# KiCad board BabyHuey.kicad_pcb
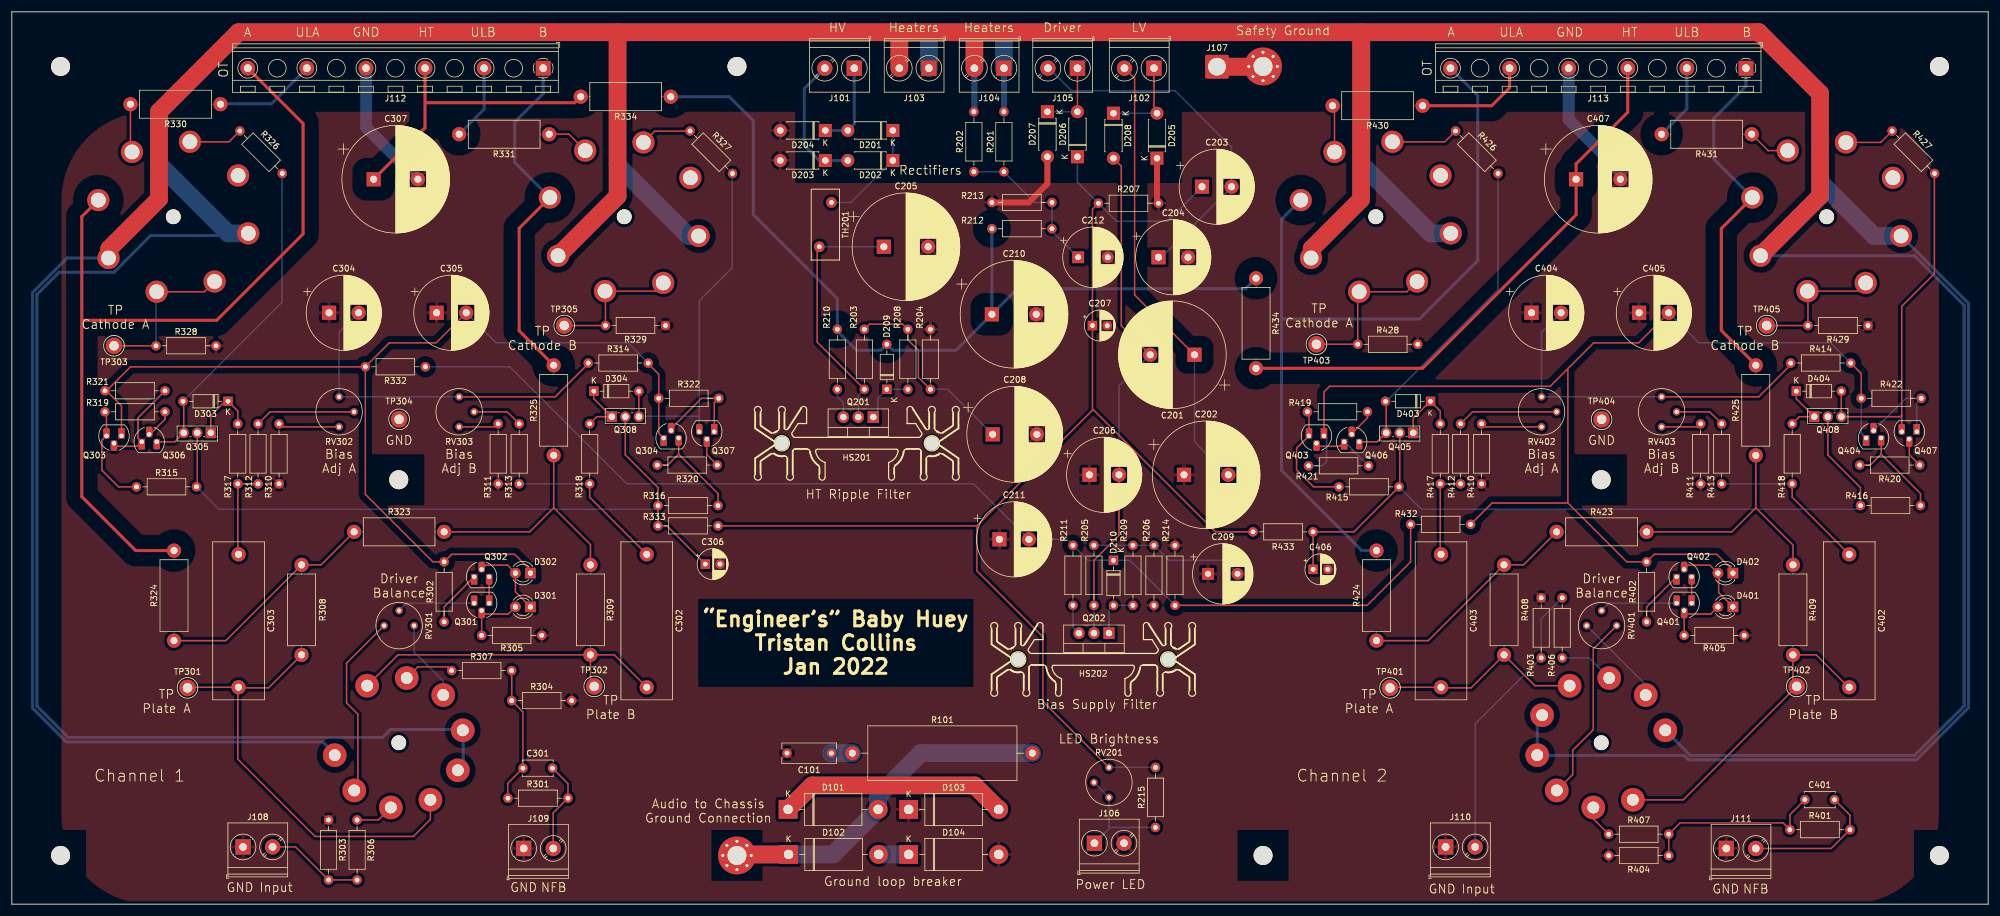
[diagram p0: board, top side]
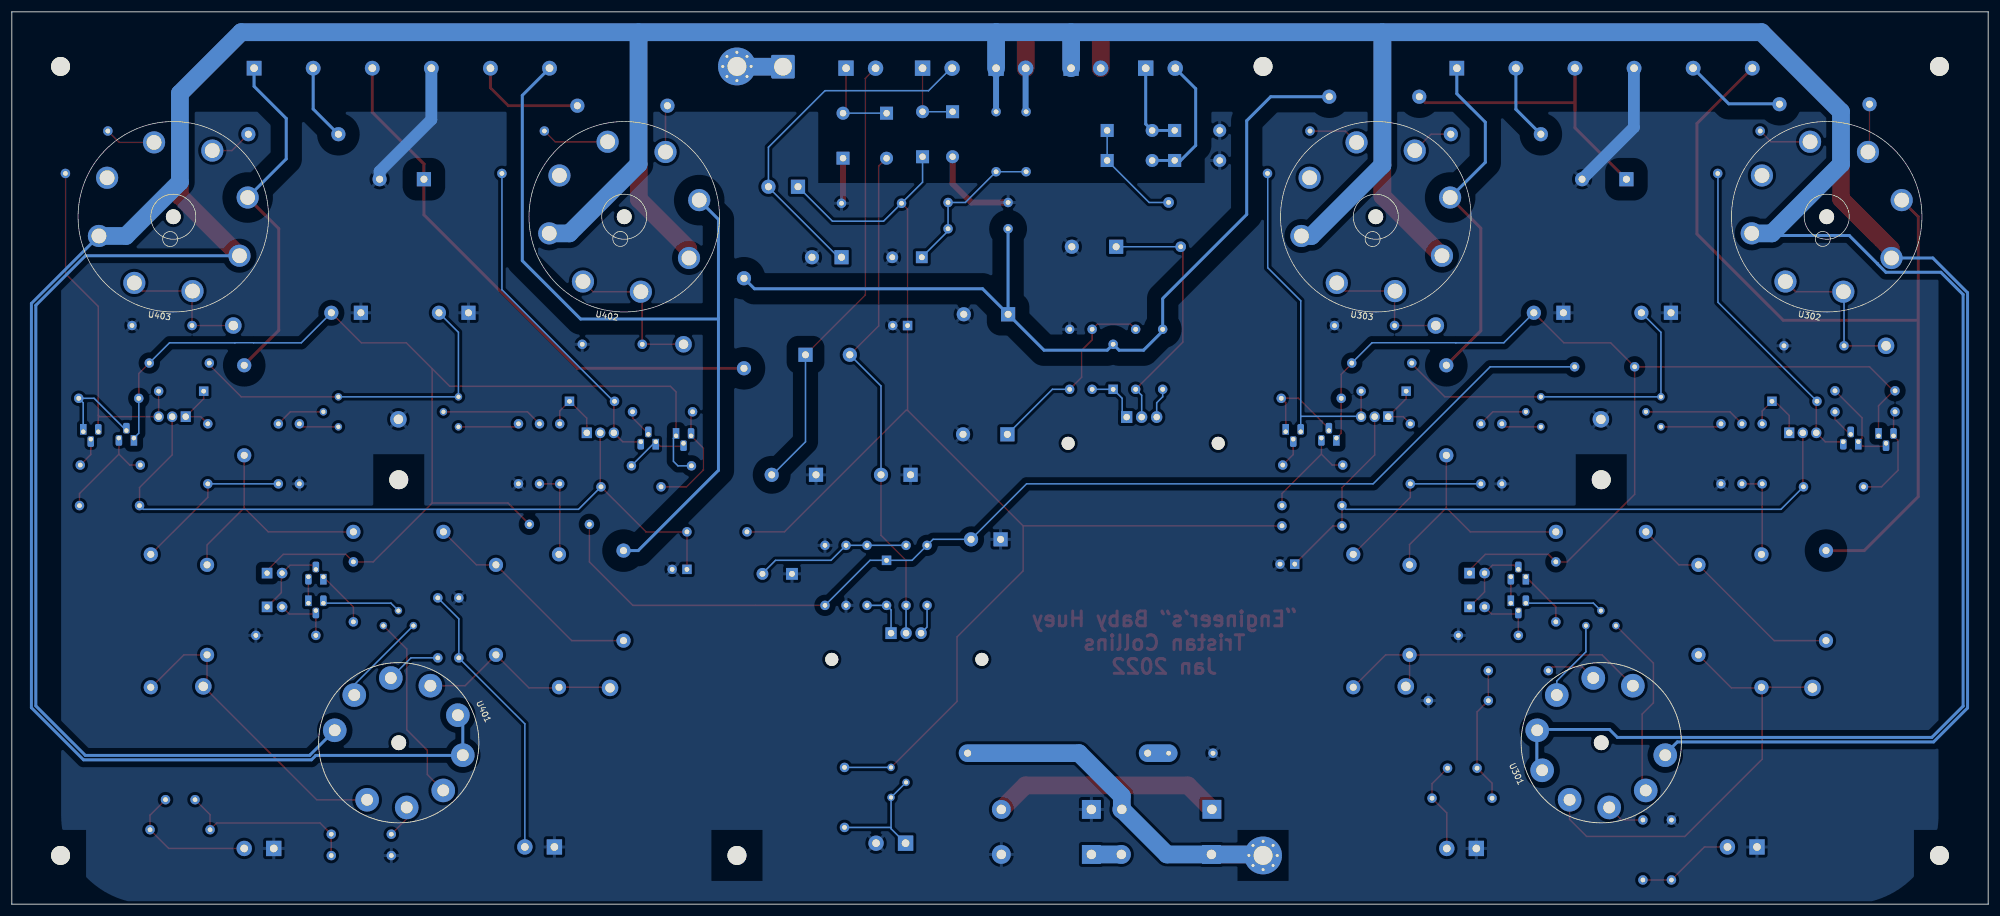
[diagram p1: board, bottom side, seen from below]

Outline 334.5 x 151.06 mm; copper layers: Top, Bottom. Coordinates in mm from the lower left corner of the outline.
Outline path: 0,151.06 0,0 334.5,0 334.5,151.06 0,151.06
Stack: Top 0.035mm / dielectric 1.51mm FR4 er 4.5 / Bottom 0.035mm

## Placement (name value [footprint] x y rotation side)
C101  100n  [C_Rect_L9.0mm_W3.2mm_P7.50mm_MKT]  138.7 25.56 180 top
C201  470u 100V  [CP_Radial_D18.0mm_P7.50mm]  200.17 93 180 top
C202  470u 100V  [CP_Radial_D18.0mm_P7.50mm]  198.39 72.68 0 top
C203  2200u 25V  [CP_Radial_D12.5mm_P5.00mm]  201.44 121.45 0 top
C204  2200u 25V  [CP_Radial_D12.5mm_P5.00mm]  194.07 109.51 0 top
C205  47u 450V  [CP_Radial_D18.0mm_P7.50mm]  147.59 111.29 0 top
C206  47u 160V  [CP_Radial_D12.5mm_P5.00mm]  182.39 72.68 0 top
C207  47u 25V  [CP_Radial_D5.0mm_P2.50mm]  182.9 97.95 0 top
C208  10u 450V  [CP_Radial_D16.0mm_P7.50mm]  166 79.54 0 top
C209  10u 160V  [CP_Radial_D10.0mm_P5.00mm]  202.46 55.92 0 top
C210  47u 450V  [CP_Radial_D18.0mm_P7.50mm]  165.88 99.86 0 top
C211  47u 160V  [CP_Radial_D12.5mm_P5.00mm]  167.15 61.76 0 top
C212  10u 200V  [CP_Radial_D10.0mm_P5.00mm]  180.48 109.51 0 top
C301  DNP  [C_Disc_D5.0mm_W2.5mm_P5.00mm]  86.5 23.02 0 top
C302  220n 630V  [C_Rect_L26.5mm_W8.5mm_P22.50mm_MKS4]  107.46 59.22 270 top
C303  220n 630V  [C_Rect_L26.5mm_W8.5mm_P22.50mm_MKS4]  38.37 59.22 270 top
C304  47u 160V  [CP_Radial_D12.5mm_P5.00mm]  53.69 100.11 0 top
C305  47u 160V  [CP_Radial_D12.5mm_P5.00mm]  71.9 100.11 0 top
C306  47u 25V  [CP_Radial_D5.0mm_P2.50mm]  117.37 57.57 0 top
C307  47u 450V  [CP_Radial_D18.0mm_P7.50mm]  61.23 122.72 0 top
C401  DNP  [C_Disc_D5.0mm_W2.5mm_P5.00mm]  303.49 17.69 0 top
C402  220n 630V  [C_Rect_L26.5mm_W8.5mm_P22.50mm_MKS4]  310.98 59.22 270 top
C403  220n 630V  [C_Rect_L26.5mm_W8.5mm_P22.50mm_MKS4]  241.89 59.22 270 top
C404  47u 160V  [CP_Radial_D12.5mm_P5.00mm]  257.21 100.11 0 top
C405  47u 160V  [CP_Radial_D12.5mm_P5.00mm]  275.42 100.11 0 top
C406  47u 25V  [CP_Radial_D5.0mm_P2.50mm]  220.24 56.68 0 top
C407  47u 450V  [CP_Radial_D18.0mm_P7.50mm]  264.75 122.72 0 top
D101  SF51-B  [D_DO-201AD_P15.24mm_Horizontal]  131.39 16.05 0 top
D102  SF51-B  [D_DO-201AD_P15.24mm_Horizontal]  131.46 8.42 0 top
D103  SF51-B  [D_DO-201AD_P15.24mm_Horizontal]  151.78 16.04 0 top
D104  SF51-B  [D_DO-201AD_P15.24mm_Horizontal]  151.78 8.42 0 top
D201  UF4007  [D_DO-41_SOD81_P7.62mm_Horizontal]  149.12 130.97 180 top
D202  UF4007  [D_DO-41_SOD81_P7.62mm_Horizontal]  149.12 125.89 180 top
D203  UF4007  [D_DO-41_SOD81_P7.62mm_Horizontal]  137.69 125.89 180 top
D204  UF4007  [D_DO-41_SOD81_P7.62mm_Horizontal]  137.69 130.97 180 top
D205  UF4007  [D_DO-41_SOD81_P7.62mm_Horizontal]  193.82 126.28 90 top
D206  UF4007  [D_DO-41_SOD81_P7.62mm_Horizontal]  180.36 126.53 90 top
D207  UF4007  [D_DO-41_SOD81_P7.62mm_Horizontal]  175.28 134.15 270 top
D208  UF4007  [D_DO-41_SOD81_P7.62mm_Horizontal]  186.45 133.9 270 top
D209  BZX79C10  [D_DO-35_SOD27_P7.62mm_Horizontal]  148.1 87.16 90 top
D210  BZX79C10  [D_DO-35_SOD27_P7.62mm_Horizontal]  186.45 58.2 270 top
D301  Red  [LED_D3.0mm]  87.78 50.33 180 top
D302  Red  [LED_D3.0mm]  87.78 56.04 180 top
D303  BZX79C10  [D_DO-35_SOD27_P7.62mm_Horizontal]  36.59 85.13 180 top
D304  BZX79C10  [D_DO-35_SOD27_P7.62mm_Horizontal]  98.51 86.84 0 top
D401  Red  [LED_D3.0mm]  291.3 50.33 180 top
D402  Red  [LED_D3.0mm]  291.3 56.04 180 top
D403  BZX79C10  [D_DO-35_SOD27_P7.62mm_Horizontal]  240.11 85.13 180 top
D404  BZX79C10  [D_DO-35_SOD27_P7.62mm_Horizontal]  302.03 86.84 0 top
HS201  -  [HSE-B20250-040H]  143.02 78.02 0 top
HS202  -  [HSE-B20250-040H]  183.03 41.44 0 top
J101  Screw_Terminal_01x02  [TerminalBlock_Phoenix_PT-1,5-2-5.0-H_1x02_P5.00mm_Horizontal]  142.59 141.52 180 top
J102  Screw_Terminal_01x02  [TerminalBlock_Phoenix_PT-1,5-2-5.0-H_1x02_P5.00mm_Horizontal]  193.31 141.52 180 top
J103  Screw_Terminal_01x02  [TerminalBlock_Phoenix_PT-1,5-2-5.0-H_1x02_P5.00mm_Horizontal]  155.21 141.52 180 top
J104  Screw_Terminal_01x02  [TerminalBlock_Phoenix_PT-1,5-2-5.0-H_1x02_P5.00mm_Horizontal]  167.91 141.52 180 top
J105  Screw_Terminal_01x02  [TerminalBlock_Phoenix_PT-1,5-2-5.0-H_1x02_P5.00mm_Horizontal]  180.36 141.52 180 top
J106  Screw_Terminal_01x02  [TerminalBlock_Phoenix_PT-1,5-2-5.0-H_1x02_P5.00mm_Horizontal]  183.23 10.32 0 top
J107  Conn_01x01_Female  [SolderWire-2.5sqmm_1x01_D2.4mm_OD3.6mm]  203.98 141.77 0 top
J108  Screw_Terminal_01x02  [TerminalBlock_Phoenix_PT-1,5-2-5.0-H_1x02_P5.00mm_Horizontal]  39.13 9.69 0 top
J109  Screw_Terminal_01x02  [TerminalBlock_Phoenix_PT-1,5-2-5.0-H_1x02_P5.00mm_Horizontal]  86.63 9.44 0 top
J110  Screw_Terminal_01x02  [TerminalBlock_Phoenix_PT-1,5-2-5.0-H_1x02_P5.00mm_Horizontal]  242.67 9.69 0 top
J111  Screw_Terminal_01x02  [TerminalBlock_Phoenix_PT-1,5-2-5.0-H_1x02_P5.00mm_Horizontal]  290.17 9.44 0 top
J112  Screw_Terminal_01x06  [TerminalBlock_RND_205-00302_1x06_P10.00mm_Horizontal]  89.93 141.52 180 top
J113  Screw_Terminal_01x06  [TerminalBlock_RND_205-00302_1x06_P10.00mm_Horizontal]  293.5 141.52 180 top
MH101  MountingHole  [MountingHole_3.2mm_M3]  326.25 8.25 0 top
MH102  MountingHole  [MountingHole_3.2mm_M3]  326.25 141.81 0 top
MH103  MountingHole  [MountingHole_3.2mm_M3]  269.01 71.85 0 top
MH104  MountingHole  [MountingHole_3.2mm_M3]  122.73 141.81 0 top
MH105  MountingHole  [MountingHole_3.2mm_M3]  211.77 8.25 0 top
MH106  MountingHole  [MountingHole_3.2mm_M3]  8.25 8.25 0 top
MH107  MountingHole  [MountingHole_3.2mm_M3]  65.49 71.85 0 top
MH108  MountingHole  [MountingHole_3.2mm_M3]  8.25 141.81 0 top
MH109  MountingHole_Pad  [MountingHole_3.2mm_M3_Pad_Via]  122.73 8.25 0 top
MH110  MountingHole_Pad  [MountingHole_3.2mm_M3_Pad_Via]  211.77 141.81 0 top
Q201  FQPF8N60C  [TO-220-3_Vertical]  145.81 82.46 180 top
Q202  FQPF7P20  [TO-220-3_Vertical]  185.69 45.88 180 top
Q301  2n5551  [TO-92_HandSolder]  80.79 50.96 180 top
Q302  2n5551  [TO-92_HandSolder]  78.25 55.41 0 top
Q303  2n5551  [TO-92_HandSolder]  18.56 79.29 180 top
Q304  2n5551  [TO-92_HandSolder]  110.32 78.9 0 top
Q305  STU9HN65M2  [TO-251-3_Vertical]  33.67 79.79 180 top
Q306  2n5551  [TO-92_HandSolder]  21.99 78.27 0 top
Q307  2n5551  [TO-92_HandSolder]  118.89 79.98 180 top
Q308  STU9HN65M2  [TO-251-3_Vertical]  101.55 82.52 0 top
Q401  2n5551  [TO-92_HandSolder]  284.31 50.96 180 top
Q402  2n5551  [TO-92_HandSolder]  281.77 55.41 0 top
Q403  2n5551  [TO-92_HandSolder]  222.08 79.29 180 top
Q404  2n5551  [TO-92_HandSolder]  313.84 78.9 0 top
Q405  STU9HN65M2  [TO-251-3_Vertical]  237.19 79.79 180 top
Q406  2n5551  [TO-92_HandSolder]  225.51 78.27 0 top
Q407  2n5551  [TO-92_HandSolder]  322.41 79.98 180 top
Q408  STU9HN65M2  [TO-251-3_Vertical]  305.07 82.52 0 top
R101  10r 5W  [R_Axial_Power_L25.0mm_W9.0mm_P30.48mm]  142.26 25.56 0 top
R201  100r  [R_Axial_DIN0207_L6.3mm_D2.5mm_P10.16mm_Horizontal]  167.91 134.15 270 top
R202  100r  [R_Axial_DIN0207_L6.3mm_D2.5mm_P10.16mm_Horizontal]  162.83 123.99 90 top
R203  22k  [R_Axial_DIN0207_L6.3mm_D2.5mm_P10.16mm_Horizontal]  144.29 87.16 90 top
R204  1Meg  [R_Axial_DIN0207_L6.3mm_D2.5mm_P10.16mm_Horizontal]  155.47 87.16 90 top
R205  22k  [R_Axial_DIN0207_L6.3mm_D2.5mm_P10.16mm_Horizontal]  183.15 50.58 90 top
R206  1Meg  [R_Axial_DIN0207_L6.3mm_D2.5mm_P10.16mm_Horizontal]  193.31 60.74 270 top
R207  330k  [R_Axial_DIN0207_L6.3mm_D2.5mm_P10.16mm_Horizontal]  183.91 118.66 0 top
R208  100r  [R_Axial_DIN0207_L6.3mm_D2.5mm_P10.16mm_Horizontal]  151.66 87.16 90 top
R209  100r  [R_Axial_DIN0207_L6.3mm_D2.5mm_P10.16mm_Horizontal]  189.76 50.58 90 top
R210  22r  [R_Axial_DIN0207_L6.3mm_D2.5mm_P10.16mm_Horizontal]  139.72 97.32 270 top
R211  10r  [R_Axial_DIN0207_L6.3mm_D2.5mm_P10.16mm_Horizontal]  179.6 60.74 270 top
R212  330k  [R_Axial_DIN0207_L6.3mm_D2.5mm_P10.16mm_Horizontal]  165.88 114.34 0 top
R213  47k  [R_Axial_DIN0207_L6.3mm_D2.5mm_P10.16mm_Horizontal]  176.04 118.78 180 top
R214  330k  [R_Axial_DIN0207_L6.3mm_D2.5mm_P10.16mm_Horizontal]  196.87 50.58 90 top
R215  TBD  [R_Axial_DIN0207_L6.3mm_D2.5mm_P10.16mm_Horizontal]  193.57 12.99 90 top
R301  DNP  [R_Axial_DIN0207_L6.3mm_D2.5mm_P10.16mm_Horizontal]  83.97 17.94 0 top
R302  680r  [R_Axial_DIN0207_L6.3mm_D2.5mm_P10.16mm_Horizontal]  73.17 47.79 90 top
R303  100k  [R_Axial_DIN0207_L6.3mm_D2.5mm_P10.16mm_Horizontal]  53.61 14.26 270 top
R304  470r  [R_Axial_DIN0207_L6.3mm_D2.5mm_P10.16mm_Horizontal]  84.6 34.45 0 top
R305  47k  [R_Axial_DIN0207_L6.3mm_D2.5mm_P10.16mm_Horizontal]  79.52 45.5 0 top
R306  1k  [R_Axial_DIN0207_L6.3mm_D2.5mm_P10.16mm_Horizontal]  58.44 14.26 270 top
R307  1k  [R_Axial_DIN0207_L6.3mm_D2.5mm_P10.16mm_Horizontal]  74.44 39.53 0 top
R308  220k 2W  [R_Axial_DIN0414_L11.9mm_D4.5mm_P15.24mm_Horizontal]  49.04 42.2 90 top
R309  220k 2W  [R_Axial_DIN0414_L11.9mm_D4.5mm_P15.24mm_Horizontal]  97.94 57.44 270 top
R310  1k  [R_Axial_DIN0207_L6.3mm_D2.5mm_P10.16mm_Horizontal]  45.23 71.16 90 top
R311  1k  [R_Axial_DIN0207_L6.3mm_D2.5mm_P10.16mm_Horizontal]  82.31 81.32 270 top
R312  1Meg  [R_Axial_DIN0207_L6.3mm_D2.5mm_P10.16mm_Horizontal]  41.67 71.16 90 top
R313  1Meg  [R_Axial_DIN0207_L6.3mm_D2.5mm_P10.16mm_Horizontal]  85.87 81.32 270 top
R314  22k  [R_Axial_DIN0207_L6.3mm_D2.5mm_P10.16mm_Horizontal]  97.55 91.6 0 top
R315  220k  [R_Axial_DIN0207_L6.3mm_D2.5mm_P10.16mm_Horizontal]  21.1 70.65 0 top
R316  220k  [R_Axial_DIN0207_L6.3mm_D2.5mm_P10.16mm_Horizontal]  109.36 67.47 0 top
R317  100r  [R_Axial_DIN0207_L6.3mm_D2.5mm_P10.16mm_Horizontal]  38.24 71.16 90 top
R318  100r  [R_Axial_DIN0207_L6.3mm_D2.5mm_P10.16mm_Horizontal]  97.81 71.16 90 top
R319  100r  [R_Axial_DIN0207_L6.3mm_D2.5mm_P10.16mm_Horizontal]  15.77 83.35 0 top
R320  100r  [R_Axial_DIN0207_L6.3mm_D2.5mm_P10.16mm_Horizontal]  119.4 74.33 180 top
R321  390r  [R_Axial_DIN0207_L6.3mm_D2.5mm_P10.16mm_Horizontal]  25.93 86.91 180 top
R322  390r  [R_Axial_DIN0207_L6.3mm_D2.5mm_P10.16mm_Horizontal]  109.49 85.64 0 top
R323  39k 2W  [R_Axial_DIN0414_L11.9mm_D4.5mm_P15.24mm_Horizontal]  57.93 63.03 0 top
R324  47k 2W  [R_Axial_DIN0414_L11.9mm_D4.5mm_P15.24mm_Horizontal]  27.45 44.61 90 top
R325  47k 2W  [R_Axial_DIN0414_L11.9mm_D4.5mm_P15.24mm_Horizontal]  91.71 75.98 90 top
R326  1k  [R_Axial_DIN0207_L6.3mm_D2.5mm_P10.16mm_Horizontal]  45.77 123.7 135 top
R327  1k  [R_Axial_DIN0207_L6.3mm_D2.5mm_P10.16mm_Horizontal]  121.97 123.7 135 top
R328  10r 1%  [R_Axial_DIN0207_L6.3mm_D2.5mm_P10.16mm_Horizontal]  24.4 94.53 0 top
R329  10r 1%  [R_Axial_DIN0207_L6.3mm_D2.5mm_P10.16mm_Horizontal]  110.63 97.95 180 top
R330  1k 2W  [R_Axial_DIN0414_L11.9mm_D4.5mm_P15.24mm_Horizontal]  35.32 135.42 180 top
R331  1k 2W  [R_Axial_DIN0414_L11.9mm_D4.5mm_P15.24mm_Horizontal]  90.95 130.34 180 top
R332  270r  [R_Axial_DIN0207_L6.3mm_D2.5mm_P10.16mm_Horizontal]  70 90.97 180 top
R333  270r  [R_Axial_DIN0207_L6.3mm_D2.5mm_P10.16mm_Horizontal]  119.53 64.05 180 top
R334  10r 2W  [R_Axial_DIN0414_L11.9mm_D4.5mm_P15.24mm_Horizontal]  111.52 136.69 180 top
R401  DNP  [R_Axial_DIN0207_L6.3mm_D2.5mm_P10.16mm_Horizontal]  300.95 12.61 0 top
R402  680r  [R_Axial_DIN0207_L6.3mm_D2.5mm_P10.16mm_Horizontal]  276.69 47.79 90 top
R403  100k  [R_Axial_DIN0207_L6.3mm_D2.5mm_P10.16mm_Horizontal]  258.84 51.85 270 top
R404  470r  [R_Axial_DIN0207_L6.3mm_D2.5mm_P10.16mm_Horizontal]  280.43 8.23 180 top
R405  47k  [R_Axial_DIN0207_L6.3mm_D2.5mm_P10.16mm_Horizontal]  283.04 45.5 0 top
R406  1k  [R_Axial_DIN0207_L6.3mm_D2.5mm_P10.16mm_Horizontal]  262.4 41.69 90 top
R407  1k  [R_Axial_DIN0207_L6.3mm_D2.5mm_P10.16mm_Horizontal]  270.27 11.85 0 top
R408  220k 2W  [R_Axial_DIN0414_L11.9mm_D4.5mm_P15.24mm_Horizontal]  252.56 42.2 90 top
R409  220k 2W  [R_Axial_DIN0414_L11.9mm_D4.5mm_P15.24mm_Horizontal]  301.46 57.44 270 top
R410  1k  [R_Axial_DIN0207_L6.3mm_D2.5mm_P10.16mm_Horizontal]  248.75 71.16 90 top
R411  1k  [R_Axial_DIN0207_L6.3mm_D2.5mm_P10.16mm_Horizontal]  285.83 81.32 270 top
R412  1Meg  [R_Axial_DIN0207_L6.3mm_D2.5mm_P10.16mm_Horizontal]  245.19 71.16 90 top
R413  1Meg  [R_Axial_DIN0207_L6.3mm_D2.5mm_P10.16mm_Horizontal]  289.39 81.32 270 top
R414  22k  [R_Axial_DIN0207_L6.3mm_D2.5mm_P10.16mm_Horizontal]  301.07 91.6 0 top
R415  220k  [R_Axial_DIN0207_L6.3mm_D2.5mm_P10.16mm_Horizontal]  224.62 70.65 0 top
R416  220k  [R_Axial_DIN0207_L6.3mm_D2.5mm_P10.16mm_Horizontal]  312.89 67.47 0 top
R417  100r  [R_Axial_DIN0207_L6.3mm_D2.5mm_P10.16mm_Horizontal]  241.77 71.16 90 top
R418  100r  [R_Axial_DIN0207_L6.3mm_D2.5mm_P10.16mm_Horizontal]  301.33 71.16 90 top
R419  100r  [R_Axial_DIN0207_L6.3mm_D2.5mm_P10.16mm_Horizontal]  219.29 83.35 0 top
R420  100r  [R_Axial_DIN0207_L6.3mm_D2.5mm_P10.16mm_Horizontal]  322.92 74.33 180 top
R421  390r  [R_Axial_DIN0207_L6.3mm_D2.5mm_P10.16mm_Horizontal]  229.63 74.21 180 top
R422  390r  [R_Axial_DIN0207_L6.3mm_D2.5mm_P10.16mm_Horizontal]  313.01 85.64 0 top
R423  39k 2W  [R_Axial_DIN0414_L11.9mm_D4.5mm_P15.24mm_Horizontal]  261.45 63.03 0 top
R424  47k 2W  [R_Axial_DIN0414_L11.9mm_D4.5mm_P15.24mm_Horizontal]  230.97 44.61 90 top
R425  47k 2W  [R_Axial_DIN0414_L11.9mm_D4.5mm_P15.24mm_Horizontal]  295.17 75.98 90 top
R426  1k  [R_Axial_DIN0207_L6.3mm_D2.5mm_P10.16mm_Horizontal]  251.55 123.7 135 top
R427  1k  [R_Axial_DIN0207_L6.3mm_D2.5mm_P10.16mm_Horizontal]  325.43 123.7 135 top
R428  10r 1%  [R_Axial_DIN0207_L6.3mm_D2.5mm_P10.16mm_Horizontal]  227.79 94.78 0 top
R429  10r 1%  [R_Axial_DIN0207_L6.3mm_D2.5mm_P10.16mm_Horizontal]  314.16 97.95 180 top
R430  1k 2W  [R_Axial_DIN0414_L11.9mm_D4.5mm_P15.24mm_Horizontal]  238.78 135.17 180 top
R431  1k 2W  [R_Axial_DIN0414_L11.9mm_D4.5mm_P15.24mm_Horizontal]  294.47 130.34 180 top
R432  270r  [R_Axial_DIN0207_L6.3mm_D2.5mm_P10.16mm_Horizontal]  236.75 64.3 0 top
R433  270r  [R_Axial_DIN0207_L6.3mm_D2.5mm_P10.16mm_Horizontal]  210.08 63.03 0 top
R434  10r 2W  [R_Axial_DIN0414_L11.9mm_D4.5mm_P15.24mm_Horizontal]  210.58 105.96 270 top
RV201  50k  [Potentiometer_Bourns_3339P_Vertical]  185.69 18.07 0 top
RV301  470r  [Potentiometer_Bourns_3339P_Vertical]  63.01 47.16 270 top
RV302  50k  [Potentiometer_Bourns_3339P_Vertical]  55.39 85.89 180 top
RV303  50k  [Potentiometer_Bourns_3339P_Vertical]  75.71 85.89 180 top
RV401  470r  [Potentiometer_Bourns_3339P_Vertical]  266.53 47.16 270 top
RV402  50k  [Potentiometer_Bourns_3339P_Vertical]  258.91 85.89 180 top
RV403  50k  [Potentiometer_Bourns_3339P_Vertical]  279.23 85.89 180 top
TH201  CL140  [RV_Disc_D12mm_W4.8mm_P7.5mm]  136.67 111.29 90 top
TP301  TestPoint  [TestPoint_Keystone_5005-5009_Compact]  29.74 36.61 0 top
TP302  TestPoint  [TestPoint_Keystone_5005-5009_Compact]  98.57 36.87 0 top
TP303  TestPoint  [TestPoint_Keystone_5005-5009_Compact]  17.29 94.53 180 top
TP304  TestPoint  [TestPoint_Keystone_5005-5009_Compact]  65.55 82.08 0 top
TP305  TestPoint  [TestPoint_Keystone_5005-5009_Compact]  93.49 97.95 0 top
TP401  TestPoint  [TestPoint_Keystone_5005-5009_Compact]  233.26 36.61 0 top
TP402  TestPoint  [TestPoint_Keystone_5005-5009_Compact]  302.09 36.87 0 top
TP403  TestPoint  [TestPoint_Keystone_5005-5009_Compact]  220.81 94.78 180 top
TP404  TestPoint  [TestPoint_Keystone_5005-5009_Compact]  269.07 82.08 0 top
TP405  TestPoint  [TestPoint_Keystone_5005-5009_Compact]  297.01 97.95 0 top
U301  ECC83  [VALVE-ECC-83-1-TC]  65.49 27.33 65 bottom
U302  EL34  [Octal]  27.33 116.37 10 bottom
U303  EL34  [Octal]  103.65 116.37 8 bottom
U401  ECC83  [VALVE-ECC-83-1-TC]  269.01 27.33 245 bottom
U402  EL34  [Octal]  230.85 116.37 10 bottom
U403  EL34  [Octal]  307.17 116.37 8 bottom

## Footprints (pads in the part's own frame, mm; a bottom-side part is the same pattern mirrored in y, then rotated)
C_Disc_D5.0mm_W2.5mm_P5.00mm
  round 1.6 hole 0.8: 1(0,0) 2(5,0)
C_Rect_L9.0mm_W3.2mm_P7.50mm_MKT
  round 1.6 hole 0.8: 1(0,0) 2(7.5,0)
C_Rect_L26.5mm_W8.5mm_P22.50mm_MKS4
  round 2.4 hole 1.2: 1(0,0) 2(22.5,0)
CP_Radial_D5.0mm_P2.50mm
  rect 1.6x1.6 hole 0.8: 1(0,0)
  round 1.6 hole 0.8: 2(2.5,0)
CP_Radial_D10.0mm_P5.00mm
  rect 2x2 hole 1: 1(0,0)
  round 2 hole 1: 2(5,0)
CP_Radial_D12.5mm_P5.00mm
  rect 2.4x2.4 hole 1.2: 1(0,0)
  round 2.4 hole 1.2: 2(5,0)
CP_Radial_D16.0mm_P7.50mm
  rect 2.4x2.4 hole 1.2: 1(0,0)
  round 2.4 hole 1.2: 2(7.5,0)
CP_Radial_D18.0mm_P7.50mm
  rect 2.4x2.4 hole 1.2: 1(0,0)
  round 2.4 hole 1.2: 2(7.5,0)
D_DO-35_SOD27_P7.62mm_Horizontal
  rect 1.6x1.6 hole 0.8: 1(0,0)
  oval 1.6x1.6 hole 0.8: 2(7.62,0)
D_DO-41_SOD81_P7.62mm_Horizontal
  rect 2.2x2.2 hole 1.1: 1(0,0)
  oval 2.2x2.2 hole 1.1: 2(7.62,0)
D_DO-201AD_P15.24mm_Horizontal
  rect 3.2x3.2 hole 1.6: 1(0,0)
  oval 3.2x3.2 hole 1.6: 2(15.24,0)
HSE-B20250-040H
  round 2.2 hole 2.2 unplated: (-12.7,0) (12.7,0)
LED_D3.0mm
  rect 1.8x1.8 hole 0.9: 1(0,0)
  round 1.8 hole 0.9: 2(2.54,0)
MountingHole_3.2mm_M3
  round 3.2 hole 3.2 unplated: (0,0)
MountingHole_3.2mm_M3_Pad_Via
  round 0.8 hole 0.5: 1(-2.4,0) 1(-1.697,1.697) 1(-1.697,-1.697) 1(0,2.4) 1(0,-2.4) 1(1.697,1.697) 1(1.697,-1.697) 1(2.4,0)
  round 6.4 hole 3.2: 1(0,0)
Octal
  round 2.5 hole 2.5 unplated: (0,0)
  oval 3.75x3.75 hole 2.5: 1(-4.975,12.01) 2(-12.01,4.975) 3(-12.01,-4.975) 4(-4.975,-12.01) 5(4.975,-12.01) 6(12.01,-4.975) 7(12.01,4.975) 8(4.975,12.01)
Potentiometer_Bourns_3339P_Vertical
  round 1.26 hole 0.7: 1(0,0) 2(-2.54,2.54) 3(0,5.08)
R_Axial_DIN0207_L6.3mm_D2.5mm_P10.16mm_Horizontal
  round 1.6 hole 0.8: 1(0,0)
  oval 1.6x1.6 hole 0.8: 2(10.16,0)
R_Axial_DIN0414_L11.9mm_D4.5mm_P15.24mm_Horizontal
  round 2.4 hole 1.2: 1(0,0)
  oval 2.4x2.4 hole 1.2: 2(15.24,0)
R_Axial_Power_L25.0mm_W9.0mm_P30.48mm
  round 2.4 hole 1.2: 1(0,0)
  oval 2.4x2.4 hole 1.2: 2(30.48,0)
RV_Disc_D12mm_W4.8mm_P7.5mm
  round 1.8 hole 0.8: 1(0,0) 2(7.5,-2.05)
SolderWire-2.5sqmm_1x01_D2.4mm_OD3.6mm
  rrect 4x4 hole 3: 1(0,0)
TerminalBlock_Phoenix_PT-1,5-2-5.0-H_1x02_P5.00mm_Horizontal
  rect 2.6x2.6 hole 1.3: 1(0,0)
  round 2.6 hole 1.3: 2(5,0)
TerminalBlock_RND_205-00302_1x06_P10.00mm_Horizontal
  rect 2.5x2.5 hole 1.3: 1(0,0)
  round 2.5 hole 1.3: 2(10,0) 3(20,0) 4(30,0) 5(40,0) 6(50,0)
TestPoint_Keystone_5005-5009_Compact
  round 2.8 hole 1.6: 1(0,0)
TO-92_HandSolder
  rect 1.1x1.8 hole 0.75: 1(0,0)
  rrect 1.1x1.8 hole 0.75: 2(1.27,1.27) 3(2.54,0)
TO-220-3_Vertical
  rect 1.905x2 hole 1.1: 1(0,0)
  oval 1.905x2 hole 1.1: 2(2.54,0) 3(5.08,0)
TO-251-3_Vertical
  rect 1.718x1.8 hole 1.1: 1(0,0)
  oval 1.718x1.8 hole 1.1: 2(2.29,0) 3(4.58,0)
VALVE-ECC-83-1-TC
  round 2.5 hole 2.5 unplated: (0,0)
  round 4 hole 2: 1(6.489,-8.932) 2(10.5,-3.412) 3(10.5,3.412) 4(6.489,8.932) 5(0,11.04) 6(-6.489,8.932) 7(-10.5,3.412) 8(-10.5,-3.412) 9(-6.489,-8.932)

## Nets
GNDA: C101.2 C202.1 C204.2 C205.2 C206.1 C207.2 C208.2 C209.1 C210.2 C211.1 C212.2 C304.1 C305.1 C306.2 C307.2 C404.1 C405.1 C406.2 C407.2 D103.1 D104.2 D203.2 D204.2 D205.1 D207.2 J106.2 J108.1 J109.1 J110.1 J111.1 J112.4 J113.4 R204.2 R206.2 R207.2 R213.2 R214.2 R303.1 R304.2 R305.2 R310.1 R311.2 R328.2 R329.1 R403.1 R404.2 R405.2 R410.1 R411.2 R428.2 R429.1 TP304.1 TP404.1
/B+: C210.1 D209.2 R210.1 R212.1 R334.1 R434.1
/Left/B+A: J112.6 R324.2 U302.3
/Left/B+B: J112.1 R325.2 U303.3
/Left/B+DriverA: R308.2 R323.1 R324.1
/Left/B+DriverB: R309.1 R323.2 R325.1
/Left/B+out: C307.1 J112.3 R334.2
/Left/CathodeA: R328.1 TP303.1 U302.1 U302.8
/Left/CathodeB: R329.2 TP305.1 U303.1 U303.8
/Left/DriverCathodeA: RV301.1 U301.8
/Left/DriverCathodeB: RV301.3 U301.3
/Left/GNFB: C301.2 J109.2 R301.2
/Left/GNFBin: C301.1 R301.1 R304.1 R307.2
/Left/GridA: D303.2 Q305.3 Q306.3 R326.1
/Left/GridB: D304.2 Q307.3 Q308.3 R327.1
/Left/Input: J108.2 R303.2 R306.2
/Left/LTPI: Q301.3 RV301.2
/Left/PlateA: C303.2 R308.1 TP301.1 U301.6
/Left/PlateB: C302.2 R309.2 TP302.1 U301.1
/Left/ScreenA: R330.2 U302.4
/Left/ScreenB: R331.1 U303.4
/Left/ULA: J112.5 R330.1
/Left/ULB: J112.2 R331.2
/Left/V_neg: C305.2 D302.1 Q303.1 Q304.1 R302.2 R314.2 R321.2 R322.1 R332.2
/Left/V_pos: C306.1 Q305.2 Q308.2 R315.2 R316.1 R333.2
/PowerSupply/Driver+: D206.2 D207.1 J105.1
/PowerSupply/Driver-: C203.2 C204.1 J105.2
/PowerSupply/HV+: D201.2 D204.1 J101.1
/PowerSupply/HV-: D202.2 D203.1 J101.2
/PowerSupply/LV+: D205.2 D208.1 J102.1
/PowerSupply/LV-: C201.1 C202.2 J102.2
/PowerSupply/LVin: C201.2 C206.2 D208.2 Q202.2 R205.1
/PowerSupply/PowerLED: J106.1 R215.1 RV201.1 RV201.2
/PowerSupply/V_elevation: C212.1 R201.2 R202.1 R212.2 R213.1
/Right/B+A: J113.6 R424.2 U402.3
/Right/B+B: J113.1 R425.2 U403.3
/Right/B+DriverA: R408.2 R423.1 R424.1
/Right/B+DriverB: R409.1 R423.2 R425.1
/Right/B+out: C407.1 J113.3 R434.2
/Right/CathodeA: R428.1 TP403.1 U402.1 U402.8
/Right/CathodeB: R429.2 TP405.1 U403.1 U403.8
/Right/DriverCathodeA: RV401.1 U401.8
/Right/DriverCathodeB: RV401.3 U401.3
/Right/GNFB: C401.2 J111.2 R401.2
/Right/GNFBin: C401.1 R401.1 R404.1 R407.2
/Right/GridA: D403.2 Q405.3 Q406.3 R426.1
/Right/GridB: D404.2 Q407.3 Q408.3 R427.1
/Right/Input: J110.2 R403.2 R406.2
/Right/LTPI: Q401.3 RV401.2
/Right/PlateA: C403.2 R408.1 TP401.1 U401.6
/Right/PlateB: C402.2 R409.2 TP402.1 U401.1
/Right/ScreenA: R430.2 U402.4
/Right/ScreenB: R431.1 U403.4
/Right/ULA: J113.5 R430.1
/Right/ULB: J113.2 R431.2
/Right/V_neg: C405.2 D402.1 Q403.1 Q404.1 R402.2 R414.2 R421.2 R422.1 R432.2
/Right/V_pos: C406.1 Q405.2 Q408.2 R415.2 R416.1 R433.2
/V_Bias: C211.2 D210.1 R211.1 R214.1 R332.1 R432.1
/V_Driver: C203.1 C207.1 D206.1 R207.1 R215.2 R333.1 R433.1 RV201.3
Heater+: J103.1 J104.1 R201.1 U301.4 U301.5 U302.7 U303.7 U401.4 U401.5 U402.7 U403.7
Heater-: J103.2 J104.2 R202.2 U301.9 U302.2 U303.2 U401.9 U402.2 U403.2
Net-(C101-Pad1): C101.1 R101.1
Net-(C205-Pad1): C205.1 Q201.2 R203.1 TH201.1
Net-(C208-Pad1): C208.1 R203.2 R204.1 R208.2
Net-(C209-Pad2): C209.2 R205.2 R206.1 R209.2
Net-(C302-Pad1): C302.1 R313.2 R318.1
Net-(C303-Pad1): C303.1 R312.1 R317.1
Net-(C304-Pad2): C304.2 R314.1 RV302.1 RV303.1
Net-(C402-Pad1): C402.1 R413.2 R418.1
Net-(C403-Pad1): C403.1 R412.1 R417.1
Net-(C404-Pad2): C404.2 R414.1 RV402.1 RV403.1
Net-(D101-Pad1): D101.1 D103.2
Net-(D101-Pad2): D101.2 D102.1 MH109.1 R101.2
Net-(D102-Pad2): D102.2 D104.1
Net-(D201-Pad1): D201.1 D202.1 TH201.2
Net-(D209-Pad1): D209.1 Q201.1 R208.1
Net-(D210-Pad2): D210.2 Q202.1 R209.1
Net-(D301-Pad1): D301.1 D302.2 Q302.2
Net-(D301-Pad2): D301.2 Q301.2 R305.1
Net-(D303-Pad1): D303.1 Q305.1 R317.2
Net-(D304-Pad1): D304.1 Q308.1 R318.2
Net-(D401-Pad1): D401.1 D402.2 Q402.2
Net-(D401-Pad2): D401.2 Q401.2 R405.1
Net-(D403-Pad1): D403.1 Q405.1 R417.2
Net-(D404-Pad1): D404.1 Q408.1 R418.2
Net-(J107-Pad1): J107.1 MH110.1
Net-(Q201-Pad3): Q201.3 R210.2
Net-(Q202-Pad3): Q202.3 R211.2
Net-(Q301-Pad1): Q301.1 Q302.3
Net-(Q302-Pad1): Q302.1 R302.1
Net-(Q303-Pad2): Q303.2 Q306.1 R321.1
Net-(Q303-Pad3): Q303.3 R315.1 R319.1
Net-(Q304-Pad2): Q304.2 Q307.1 R322.2
Net-(Q304-Pad3): Q304.3 R316.2 R320.2
Net-(Q306-Pad2): Q306.2 R319.2
Net-(Q307-Pad2): Q307.2 R320.1
Net-(Q401-Pad1): Q401.1 Q402.3
Net-(Q402-Pad1): Q402.1 R402.1
Net-(Q403-Pad2): Q403.2 Q406.1 R421.1
Net-(Q403-Pad3): Q403.3 R415.1 R419.1
Net-(Q404-Pad2): Q404.2 Q407.1 R422.2
Net-(Q404-Pad3): Q404.3 R416.2 R420.2
Net-(Q406-Pad2): Q406.2 R419.2
Net-(Q407-Pad2): Q407.2 R420.1
Net-(R306-Pad1): R306.1 U301.7
Net-(R307-Pad1): R307.1 U301.2
Net-(R310-Pad2): R310.2 RV302.3
Net-(R311-Pad1): R311.1 RV303.3
Net-(R312-Pad2): R312.2 RV302.2
Net-(R313-Pad1): R313.1 RV303.2
Net-(R326-Pad2): R326.2 U302.5
Net-(R327-Pad2): R327.2 U303.5
Net-(R406-Pad1): R406.1 U401.7
Net-(R407-Pad1): R407.1 U401.2
Net-(R410-Pad2): R410.2 RV402.3
Net-(R411-Pad1): R411.1 RV403.3
Net-(R412-Pad2): R412.2 RV402.2
Net-(R413-Pad1): R413.1 RV403.2
Net-(R426-Pad2): R426.2 U402.5
Net-(R427-Pad2): R427.2 U403.5

Pads without a net: U302 6; U303 6; U402 6; U403 6

## Routing (per net, layer and track width the routed paths; a pad name or vN(x,y) marks a point on that pad's centre or on a via; arc(x,y) is an arc through that point)
GNDA: length 67.9
  Top w0.25: 193.82,118.91 R207.2
  Top w1: D207.2 175.28,121.96 172.1,118.78 R213.2 ; D205.1 193.82,118.91
  Bottom w2: J113.4 263.5,132.8 272.25,124.04 C407.2 ; C307.2 59.96,131.49 59.96,141.49 J112.4
/B+: length 149.6
  Bottom w0.5: R434.1 208.81,104.18 170.2,104.18 C210.1 ; C210.1 R212.1 ; C210.1 159.8,93.78 149.1,93.78 D209.2 147.1,93.78 142.95,93.78 139.72,97.01 R210.1 139.72,102.4 ; 139.72,102.53 125.49,116.75 125.49,132.63 121.43,136.69 R334.1
/Left/B+A: length 146.1
  Top w0.5: U302.3 11.84,116.39 11.84,68.99 20.97,59.85 R324.2 ; J112.6 49.29,132.16 49.29,113.45 34.69,98.84 11.96,98.84
/Left/B+B: length 59.3
  Top w0.5: U303.3 85.87,114.43 85.87,97.07 R325.2
  Bottom w0.5: U303.3 85.11,125.58 85.11,132.37 89.93,137.2 J112.1
/Left/B+DriverA: length 38.1
  Top w0.25: R324.1 36.21,44.61 R308.2 52.34,57.44 R323.1
/Left/B+DriverB: length 41.3
  Top w0.25: R323.2 87.65,63.03 91.71,67.09 ; 91.71,67.09 R325.1 ; 91.71,67.09 97.94,60.87 R309.1
/Left/B+out: length 49
  Top w0.5: J112.3 69.93,131.42 C307.1 ; 70.12,135.67 95.27,135.67 R334.2
/Left/CathodeA: length 26.8
  Top w0.25: TP303.1 R328.1 ; U302.8 32.59,103.68 U302.1
  Bottom w0.25: U302.1 24.4,103.56 R328.1
/Left/CathodeB: length 23.3
  Top w0.25: TP305.1 R329.2 100.47,103.7 U303.1 108.86,103.78 U303.8
/Left/DriverCathodeA: length 31.6
  Top w0.25: RV301.1 56.66,40.8 56.66,34.07 58.57,32.17 58.57,19.86 U301.8
/Left/DriverCathodeB: length 13.8
  Bottom w0.25: RV301.3 68.09,42.71 73.02,37.78 U301.3
/Left/GNFB: length 15.7
  Top w0.25: J109.2 91.63,15.45 R301.2 94.12,20.41 C301.2
/Left/GNFBin: length 23.4
  Top w0.25: R301.1 83.97,20.48 C301.1 86.5,32.55 R304.1 R307.2
/Left/GridA: length 56.1
  Top w0.25: D303.2 29.09,85.01 Q305.3 27.57,78.27 Q306.3
  Bottom w0.25: D303.2 45.74,101.89 45.74,123.66 R326.1
/Left/GridB: length 60.6
  Top w0.25: Q308.3 D304.2
  Bottom w0.25: 116.35,82.59 106.19,82.59 Q308.3 ; Q307.3 116.35,102.15 121.94,107.73 121.94,123.66 R327.1
/Left/Input: length 16.6
  Top w0.25: J108.2 48.02,9.69 R303.2 R306.2
/Left/LTPI: length 13.2
  Bottom w0.25: Q301.3 66.82,50.96 RV301.2
/Left/PlateA: length 76.4
  Top w0.25: U301.6 70.84,14.35 67.96,11.47 51.33,11.47 38.24,24.55 38.24,36.59 38.27,36.61 43.45,36.61 R308.1 ; C303.2 29.84,36.72 TP301.1
/Left/PlateB: length 57.4
  Top w0.25: C302.2 101.98,42.2 R309.2 ; TP302.1 97.94,37.5 R309.2 ; R309.2 65.35,42.2 U301.1
/Left/ScreenA: length 8.2
  Top w0.25: U302.4 20.08,127.6 R330.2
/Left/ScreenB: length 7.2
  Top w0.25: U303.4 94.28,130.34 R331.1
/Left/ULA: length 17.1
  Bottom w0.5: J112.5 43.91,135.49 35.39,135.49 R330.1
/Left/ULB: length 12.9
  Bottom w0.5: J112.2 79.93,134.56 R331.2
/Left/V_neg: length 179.8
  Top w0.25: 16.02,86.91 R321.2 ; 16.02,86.91 20.08,90.97 R332.2 ; 16.02,86.91 18.56,84.37 Q303.1 ; R332.2 59.84,69.38 71.27,57.95 R302.2 74.44,59.22 85.11,59.22 87.78,56.55 D302.1 ; R332.2 63.9,95.03 71.82,95.03 C305.2 ; Q304.1 109.49,79.73 R322.1 109.49,89.7 107.71,91.48 R314.2
  Bottom w0.25: R314.2 104.28,95.04 90.13,95.04 90.13,95.03 81.98,95.03 C305.2
/Left/V_pos: length 120.4
  Top w0.25: C306.1 110.89,64.05 109.36,64.05 R316.1 109.36,70.52 103.84,76.05 Q308.2 ; 31.38,70.78 31.38,79.79
  Bottom w0.25: R316.1 108.73,66.84 35.07,66.84 R315.2
/PowerSupply/Driver+: length 12.4
  Top w0.25: J105.1 D206.2
  Bottom w0.25: D207.1 D206.2
/PowerSupply/Driver-: length 60.5
  Bottom w0.25: C204.1 194.58,109.51 206.44,121.37 C203.2 206.44,128.13 196.87,137.71 179.34,137.71 175.53,141.52
/PowerSupply/HV+: length 14.8
  Bottom w0.5: J101.1 142.59,132.07 D201.2 D204.1
/PowerSupply/HV-: length 22.9
  Bottom w0.5: D202.2 136.67,125.89 134.13,128.44 134.13,138.05 J101.2
/PowerSupply/LV+: length 15.2
  Top w0.25: J102.1 193.31,134.4 D205.2
  Bottom w0.25: D208.1 D205.2
/PowerSupply/LV-: length 76.2
  Top w0.25: J102.2 190.03,139.8 190.03,103.14 C201.1
  Bottom w0.25: C202.2 205.76,72.68 200.17,78.27 C201.1
/PowerSupply/LVin: length 86.9
  Top w0.25: C201.2 187.78,97.89 187.78,124.95 D208.2 ; R205.1 183.15,58.2 187.39,62.44 C206.2
  Bottom w0.25: R205.1 Q202.2 ; C206.2 187.39,87.72 C201.2
/PowerSupply/PowerLED: length 20.2
  Bottom w0.25: RV201.2 RV201.1 185.69,12.99 ; R215.1 185.69,12.99 ; 185.69,12.99 185.69,12.78 J106.1
/PowerSupply/V_elevation: length 26.5
  Bottom w0.25: R202.1 R201.2 173.12,118.78 R213.1 176.04,113.96 C212.1
/Right/B+A: length 140.6
  Bottom w0.5: R424.2 228.49,59.85 214.9,73.44 214.9,115.93 U402.3 ; J113.6 248.1,136.91 248.1,108.93 238.24,99.06 214.94,99.06 214.9,99.1
/Right/B+B: length 59.9
  Top w0.5: U403.3 289.32,114.36 289.32,97.13 295.23,91.22
  Bottom w0.5: J113.1 293.5,138.45 288.05,133.01 288.05,126.16 U403.3
/Right/B+DriverA: length 38.1
  Top w0.25: R423.1 255.86,57.44 R408.2 239.73,44.61 R424.1
/Right/B+DriverB: length 41.3
  Top w0.25: 295.17,67.09 291.1,63.03 R423.2 ; 295.17,67.09 R425.1 ; 295.17,67.09 301.46,60.8 R409.1
/Right/B+out: length 93.4
  Top w0.5: J113.3 273.5,134.07 264.75,125.33 C407.1 264.75,116.7 238.77,90.72 R434.2
/Right/CathodeA: length 26.5
  Top w0.25: 220.81,94.78 227.79,94.78 ; U402.8 236.11,103.68 U402.1 227.79,103.44 R428.1
/Right/CathodeB: length 23.3
  Top w0.25: TP405.1 R429.2 304,103.7 U403.1 312.38,103.78 U403.8
/Right/DriverCathodeA: length 15.9
  Bottom w0.25: U401.8 276.54,37.15 RV401.1
/Right/DriverCathodeB: length 32.1
  Top w0.25: U401.3 264.18,21.95 264.18,26.05 267.66,29.53 267.66,43.2 RV401.3
/Right/GNFB: length 23.4
  Top w0.25: C401.2 311.11,15.07 R401.2 307.93,9.44 J111.2
/Right/GNFBin: length 31.5
  Top w0.25: C401.1 300.95,15.15 R401.1 299.8,13.75 282.34,13.75 R407.2 R404.1
/Right/GridA: length 56.8
  Top w0.25: D403.2 232.61,85.01 232.61,79.79 231.09,78.27 Q406.3
  Bottom w0.25: D403.2 232.65,85.13 251.55,104.03 251.55,123.41
/Right/GridB: length 60.7
  Top w0.25: D404.2 Q408.3 319.62,82.52 319.87,82.78 ; R427.1 325.39,123.66 325.39,106.72 319.87,101.2 319.87,82.78 ; Q407.3 319.87,82.78
/Right/Input: length 48.3
  Bottom w0.25: R406.2 258.84,48.3 R403.2 247.67,30.52 J110.2
/Right/LTPI: length 13.2
  Bottom w0.25: RV401.2 270.34,50.96 Q401.3
/Right/PlateA: length 35
  Top w0.25: 241.79,36.61 246.97,36.61 R408.1 257.78,36.99 U401.6 ; TP401.1 233.36,36.72 C403.2
/Right/PlateB: length 53.1
  Top w0.25: C402.2 310.87,36.72 305.39,42.2 R409.2 301.46,37.5 TP402.1 282.9,17.67 U401.1
/Right/ScreenA: length 8
  Top w0.25: U402.4 223.87,134.84 R430.2
/Right/ScreenB: length 7.2
  Top w0.25: U403.4 297.24,127.57 R431.1
/Right/ULA: length 19.3
  Top w0.5: R430.1 250.46,135.17 253.5,138.2 J113.5
/Right/ULB: length 12.9
  Bottom w0.5: J113.2 283.5,134.61 R431.2
/Right/V_neg: length 202.2
  Top w0.25: D402.1 291.3,56.49 288.56,59.22 277.96,59.22 R402.2 273.32,57.95 263.36,67.92 ; 263.36,90.65 267.73,95.03 275.34,95.03 C405.2 ; 263.36,90.65 260.37,87.67 223.03,87.67 222.08,86.72 Q403.1 ; 263.36,90.65 263.36,67.92 ; R422.1 313.01,89.83 R414.2 ; 263.36,67.92 250.52,67.92 R432.2
  Bottom w0.25: Q403.1 222.52,78.84 222.52,74.97 221.76,74.21 R421.2 ; Q404.1 313.84,78.9 313.01,79.73 R422.1 ; R414.2 307.81,95.03 296.75,95.03 296.75,95.04 293.59,95.04 293.58,95.03 285.5,95.03 C405.2
/Right/V_pos: length 130.3
  Top w0.25: Q408.2 307.36,76.05 312.89,70.52 R416.1 ; 234.9,70.78 Q405.2 ; C406.1 R433.2 227.16,63.03 R415.2
  Bottom w0.25: R415.2 238.59,66.84 312.25,66.84 R416.1
/V_Bias: length 192.9
  Top w0.25: R214.1 229.38,50.58 236.75,57.95 R432.1
  Bottom w0.25: R214.1 189.25,58.2 D210.1 182.14,58.2 R211.1 178.58,61.76 C211.2 162.75,71.16 104.1,71.16 84.28,90.97 R332.1
/V_Driver: length 231.2
  Top w0.25: 182.9,83.6 183.15,83.6 203.73,63.03 R433.1 ; 182.9,83.6 163.34,64.05 ; 182.9,83.6 C207.1 182.9,117.64 R207.1 ; 163.34,64.05 163.34,56.43 174.52,45.25 174.52,34.33 RV201.3 ; 163.34,64.05 R333.1
  Bottom w0.25: RV201.3 R215.2 ; C203.1 195.6,115.61 186.96,115.61 R207.1 180.36,122.21 D206.1
Heater+: length 816.2
  Bottom w0.5: U403.7 331.19,101.68 331.19,33.26 322.36,24.43 283.79,24.43 283.04,25.18 258.21,25.18 U401.4 258.17,31.16 U401.5 ; 39.78,113.19 23.51,113.19 18.74,108.42 18.74,108.4 17.31,106.97 8.01,106.97 4.24,103.2 4.24,33.53 9.54,28.23 62.76,28.23 64.1,29.58 76.39,29.58 76.39,23.64 75.56,22.8
  Bottom w1: J104.1 R201.1
  Bottom w2: 40.14,113.56 39.78,113.19
  Bottom w3: J103.1 155.21,147.61 ; U303.7 114.52,113.12 102.53,125.11 102.53,147.61 ; 40.14,113.56 36.61,113.56 24.91,125.26 24.91,134.15 38.37,147.61 167.91,147.61 ; 228.43,147.61 228.43,125.26 240.13,113.56 243.66,113.56 ; 167.91,147.61 J104.1 ; 167.91,147.61 295.67,147.61 306.05,137.24 306.05,122.25 315.18,113.12 U403.7
Heater-: length 756
  Top w3: 150.21,147.61 162.91,147.61 ; 150.21,147.61 J103.2 ; 150.21,147.61 38.37,147.61 24.91,134.15 24.91,119.38 16.49,110.96 16.49,109.39 ; 162.91,147.61 295.67,147.61 306.05,137.24 306.05,119.85 U403.2 ; 162.91,147.61 J104.2 ; U303.2 102.53,119.85 102.53,147.61 ; 220.01,109.39 220.01,110.96 228.36,119.31 228.36,147.61
  Bottom w0.5: U401.9 284.1,25.18 322.05,25.18 330.44,33.57 330.44,101.37 322.04,109.77 295.97,109.77 U403.2 ; 16.49,109.39 9.36,109.39 3.49,103.51 3.49,33.22 9.24,27.47 52.61,27.47 54.71,25.36
  Bottom w1: R202.2 162.91,134.23 J104.2
Net-(C101-Pad1): length 3.6
  Bottom w3: C101.1 R101.1
Net-(C205-Pad1): length 43.6
  Top w0.25: TH201.1 136.3,110.92 136.3,95.15 R203.1
  Bottom w0.25: R203.1 143.27,86.14 Q201.2 ; TH201.1 C205.1
Net-(C208-Pad1): length 33.5
  Top w0.25: R203.2 145.16,98.19 150.78,98.19 R208.2 151.66,95.54 153.43,93.76 153.43,89.19 R204.1
  Bottom w0.25: R204.1 158.38,87.16 C208.1
Net-(C209-Pad2): length 26.3
  Bottom w0.25: R205.2 R209.2 R206.1 195.85,58.2 205.25,58.2 207.46,56 C209.2
Net-(C302-Pad1): length 27.9
  Top w0.25: C302.1 97.81,68.87 R318.1
  Bottom w0.25: R313.2 R318.1
Net-(C303-Pad1): length 15.4
  Top w0.25: R312.1 R317.1 38.24,59.35 C303.1
Net-(C304-Pad2): length 60.2
  Top w0.25: R314.1 97.55,91.48 91.97,85.89 RV303.1
  Bottom w0.25: RV303.1 RV302.1 55.39,96.81 C304.2
Net-(C402-Pad1): length 27.9
  Top w0.25: C402.1 301.33,68.87 R418.1
  Bottom w0.25: R413.2 R418.1
Net-(C403-Pad1): length 15.4
  Top w0.25: R412.1 R417.1 241.77,59.35 C403.1
Net-(C404-Pad2): length 60.3
  Top w0.25: R414.1 301.07,91.29 295.67,85.89 RV403.1
  Bottom w0.25: RV403.1 RV402.1 258.91,96.81 C404.2
Net-(D101-Pad1): length 39
  Top w3: D103.2 162.96,20.1 135.44,20.1 D101.1
Net-(D101-Pad2): length 67
  Top w3: 122.7,8.42 131.21,8.42
  Bottom w3: R101.2 153.88,25.56 146.63,18.32 D101.2 138.99,8.42 D102.1 122.7,8.42
Net-(D102-Pad2): length 5.1
  Bottom w3: D102.2 D104.1
Net-(D201-Pad1): length 18.4
  Bottom w0.25: TH201.2 142.01,118.79 D202.1 D201.1
Net-(D209-Pad1): length 9.2
  Bottom w0.25: R208.1 D209.1 146.58,85.64 146.58,83.22 Q201.1
Net-(D210-Pad2): length 8.3
  Bottom w0.25: Q202.1 185.69,49.82 D210.2 R209.1
Net-(D301-Pad1): length 13.3
  Top w0.25: Q302.2 80.22,57.38 83.9,57.38 D302.2 85.24,52.87 D301.1
Net-(D301-Pad2): length 10.6
  Top w0.25: R305.1 79.52,49.69 80.09,49.12 84.03,49.12 D301.2
Net-(D303-Pad1): length 11.3
  Top w0.25: Q305.1 33.67,82.71 36.09,85.13 D303.1 38.24,83.48 R317.2
Net-(D304-Pad1): length 9.8
  Top w0.25: D304.1 98.51,85.56 Q308.1 99.01,82.52 R318.2
Net-(D401-Pad1): length 13.3
  Top w0.25: D401.1 288.88,52.74 288.88,55.92 D402.2 287.42,57.38 283.74,57.38 Q402.2
Net-(D401-Pad2): length 10.6
  Top w0.25: R405.1 283.04,49.69 283.61,49.12 287.55,49.12 D401.2
Net-(D403-Pad1): length 11.1
  Top w0.25: R417.2 241.77,83.48 D403.1 240.05,85.13 237.19,82.27 Q405.1
Net-(D404-Pad1): length 9.8
  Top w0.25: D404.1 302.03,85.56 Q408.1 302.53,82.52 R418.2
Net-(J107-Pad1): length 15.2
  Top w3: J107.1 211.6,141.77
  Bottom w3: J107.1 211.6,141.77
Net-(Q201-Pad3): length 5.1
  Bottom w0.25: R210.2 139.72,85.89 140.73,84.87 Q201.3
Net-(Q202-Pad3): length 4.6
  Bottom w0.25: 179.6,47.03 179.6,50.2 ; 179.6,46.9 Q202.3
Net-(Q301-Pad1): length 4.4
  Top w0.25: Q301.1 Q302.3
Net-(Q302-Pad1): length 9.7
  Top w0.25: R302.1 73.17,50.33 Q302.1
Net-(Q303-Pad2): length 16
  Top w0.25: Q303.2 17.8,77.51 21.23,77.51 Q306.1 21.35,78.9 21.35,82.33 R321.1
Net-(Q303-Pad3): length 17.3
  Top w0.25: R319.1 16.02,83.1 Q303.3 15.26,78.52 15.26,73.44 18.05,70.65 R315.1
Net-(Q304-Pad2): length 16.5
  Top w0.25: Q304.2 111.59,80.49 116.73,85.64 R322.2 118.89,84.87 Q307.1
Net-(Q304-Pad3): length 18.6
  Top w0.25: 112.86,76.17 111.02,74.33 R320.2 ; 112.86,76.17 119.53,69.51 R316.2 ; 112.86,76.17 Q304.3
Net-(Q306-Pad2): length 5
  Top w0.25: R319.2 25.93,82.08 23.39,79.54 23.26,79.54
Net-(Q307-Pad2): length 5.1
  Top w0.25: Q307.2 117.62,76.11 R320.1
Net-(Q401-Pad1): length 4.4
  Top w0.25: Q401.1 Q402.3
Net-(Q402-Pad1): length 9.7
  Top w0.25: Q402.1 276.69,50.33 R402.1
Net-(Q403-Pad2): length 11
  Top w0.25: Q406.1 224.75,77.51 221.32,77.51 Q403.2
  Bottom w0.25: Q406.1 225.57,78.27 R421.1
Net-(Q403-Pad3): length 19.2
  Top w0.25: R419.1 219.54,83.1 Q403.3 217.44,77.19 217.44,73.52 220.31,70.65 R415.1
Net-(Q404-Pad2): length 16.3
  Bottom w0.25: Q407.1 322.41,84.87 R422.2 320.57,85.64 Q404.2
Net-(Q404-Pad3): length 18.6
  Top w0.25: 316.38,76.17 Q404.3 ; 316.38,76.17 323.05,69.51 323.05,67.47 ; 316.38,76.17 314.54,74.33 R420.2
Net-(Q406-Pad2): length 4.8
  Top w0.25: 226.78,79.67 229.45,82.33 R419.2
Net-(Q407-Pad2): length 5.1
  Top w0.25: R420.1 321.14,76.11 Q407.2
Net-(R306-Pad1): length 6.6
  Top w0.25: R306.1 62.03,14.26 U301.7
Net-(R307-Pad1): length 8.6
  Top w0.25: U301.2 68.72,40.17 73.81,40.17 R307.1
Net-(R310-Pad2): length 10.4
  Top w0.25: R310.2 45.74,80.81 RV302.3
Net-(R311-Pad1): length 6.8
  Top w0.25: R311.1 81.81,80.81 RV303.3
Net-(R312-Pad2): length 17.1
  Top w0.25: RV302.2 43.71,83.35 R312.2
Net-(R313-Pad1): length 8.5
  Top w0.25: R313.1 83.84,83.35 RV303.2
Net-(R326-Pad2): length 9.2
  Top w0.25: R326.2 36.77,129.06 U302.5
Net-(R327-Pad2): length 8.7
  Top w0.25: U303.5 108.8,130.85 114.75,130.85 R327.2
Net-(R406-Pad1): length 9.4
  Bottom w0.25: U401.7 266.95,41.69 R406.1
Net-(R407-Pad1): length 5.6
  Top w0.25: R407.1 267.66,14.46 U401.2
Net-(R410-Pad2): length 10.4
  Top w0.25: RV402.3 249.26,80.81 R410.2
Net-(R411-Pad1): length 6.8
  Top w0.25: R411.1 285.33,80.81 RV403.3
Net-(R412-Pad2): length 17.1
  Top w0.25: RV402.2 247.23,83.35 R412.2
Net-(R413-Pad1): length 8.5
  Top w0.25: RV403.2 287.36,83.35 R413.1
Net-(R426-Pad2): length 11.5
  Top w0.25: R426.2 242.54,129.06 U402.5
Net-(R427-Pad2): length 8.6
  Top w0.25: U403.5 316.32,128.96 R427.2

## Copper pours and planes (outline as drawn; the poured copper is in the pictures)
GNDA on Top: 326.15,0.04 8.4,0.04 8.4,134.15 326.15,134.15
GNDA on Bottom: 326.15,0.04 8.4,0.04 8.4,134.15 326.15,134.15

## Text on the board
User.Comments: To Do: / - redo track widths and clearances / - add in net labels / - reposition R432
Top: “Engineer’s” Baby Huey / Tristan Collins / Jan 2022
F.Silkscreen: TP / Cathode A | TP / Plate A | GND | A | Input | ULA | Bias / Adj A | Driver / Balance | HT | Bias / Adj B | ULB | TP / Cathode B | B | NFB | TP / Plate B | Audio to Chassis / Ground Connection | HV | HT Ripple Filter | Ground loop breaker | Heaters | Rectifiers | Driver | Bias Supply Filter | LED Brightness | Power LED | LV | Safety Ground | OT | Channel 1 | Channel 2 | “Engineer’s” Baby Huey / Tristan Collins / Jan 2022
